# KiCad board PNCATEHO_MK_DOSE_100x100.kicad_pcb
title: PNCATEHO_MK_DOSE; date: 2021-06-23; rev: MK_DOSE; company: Aroum
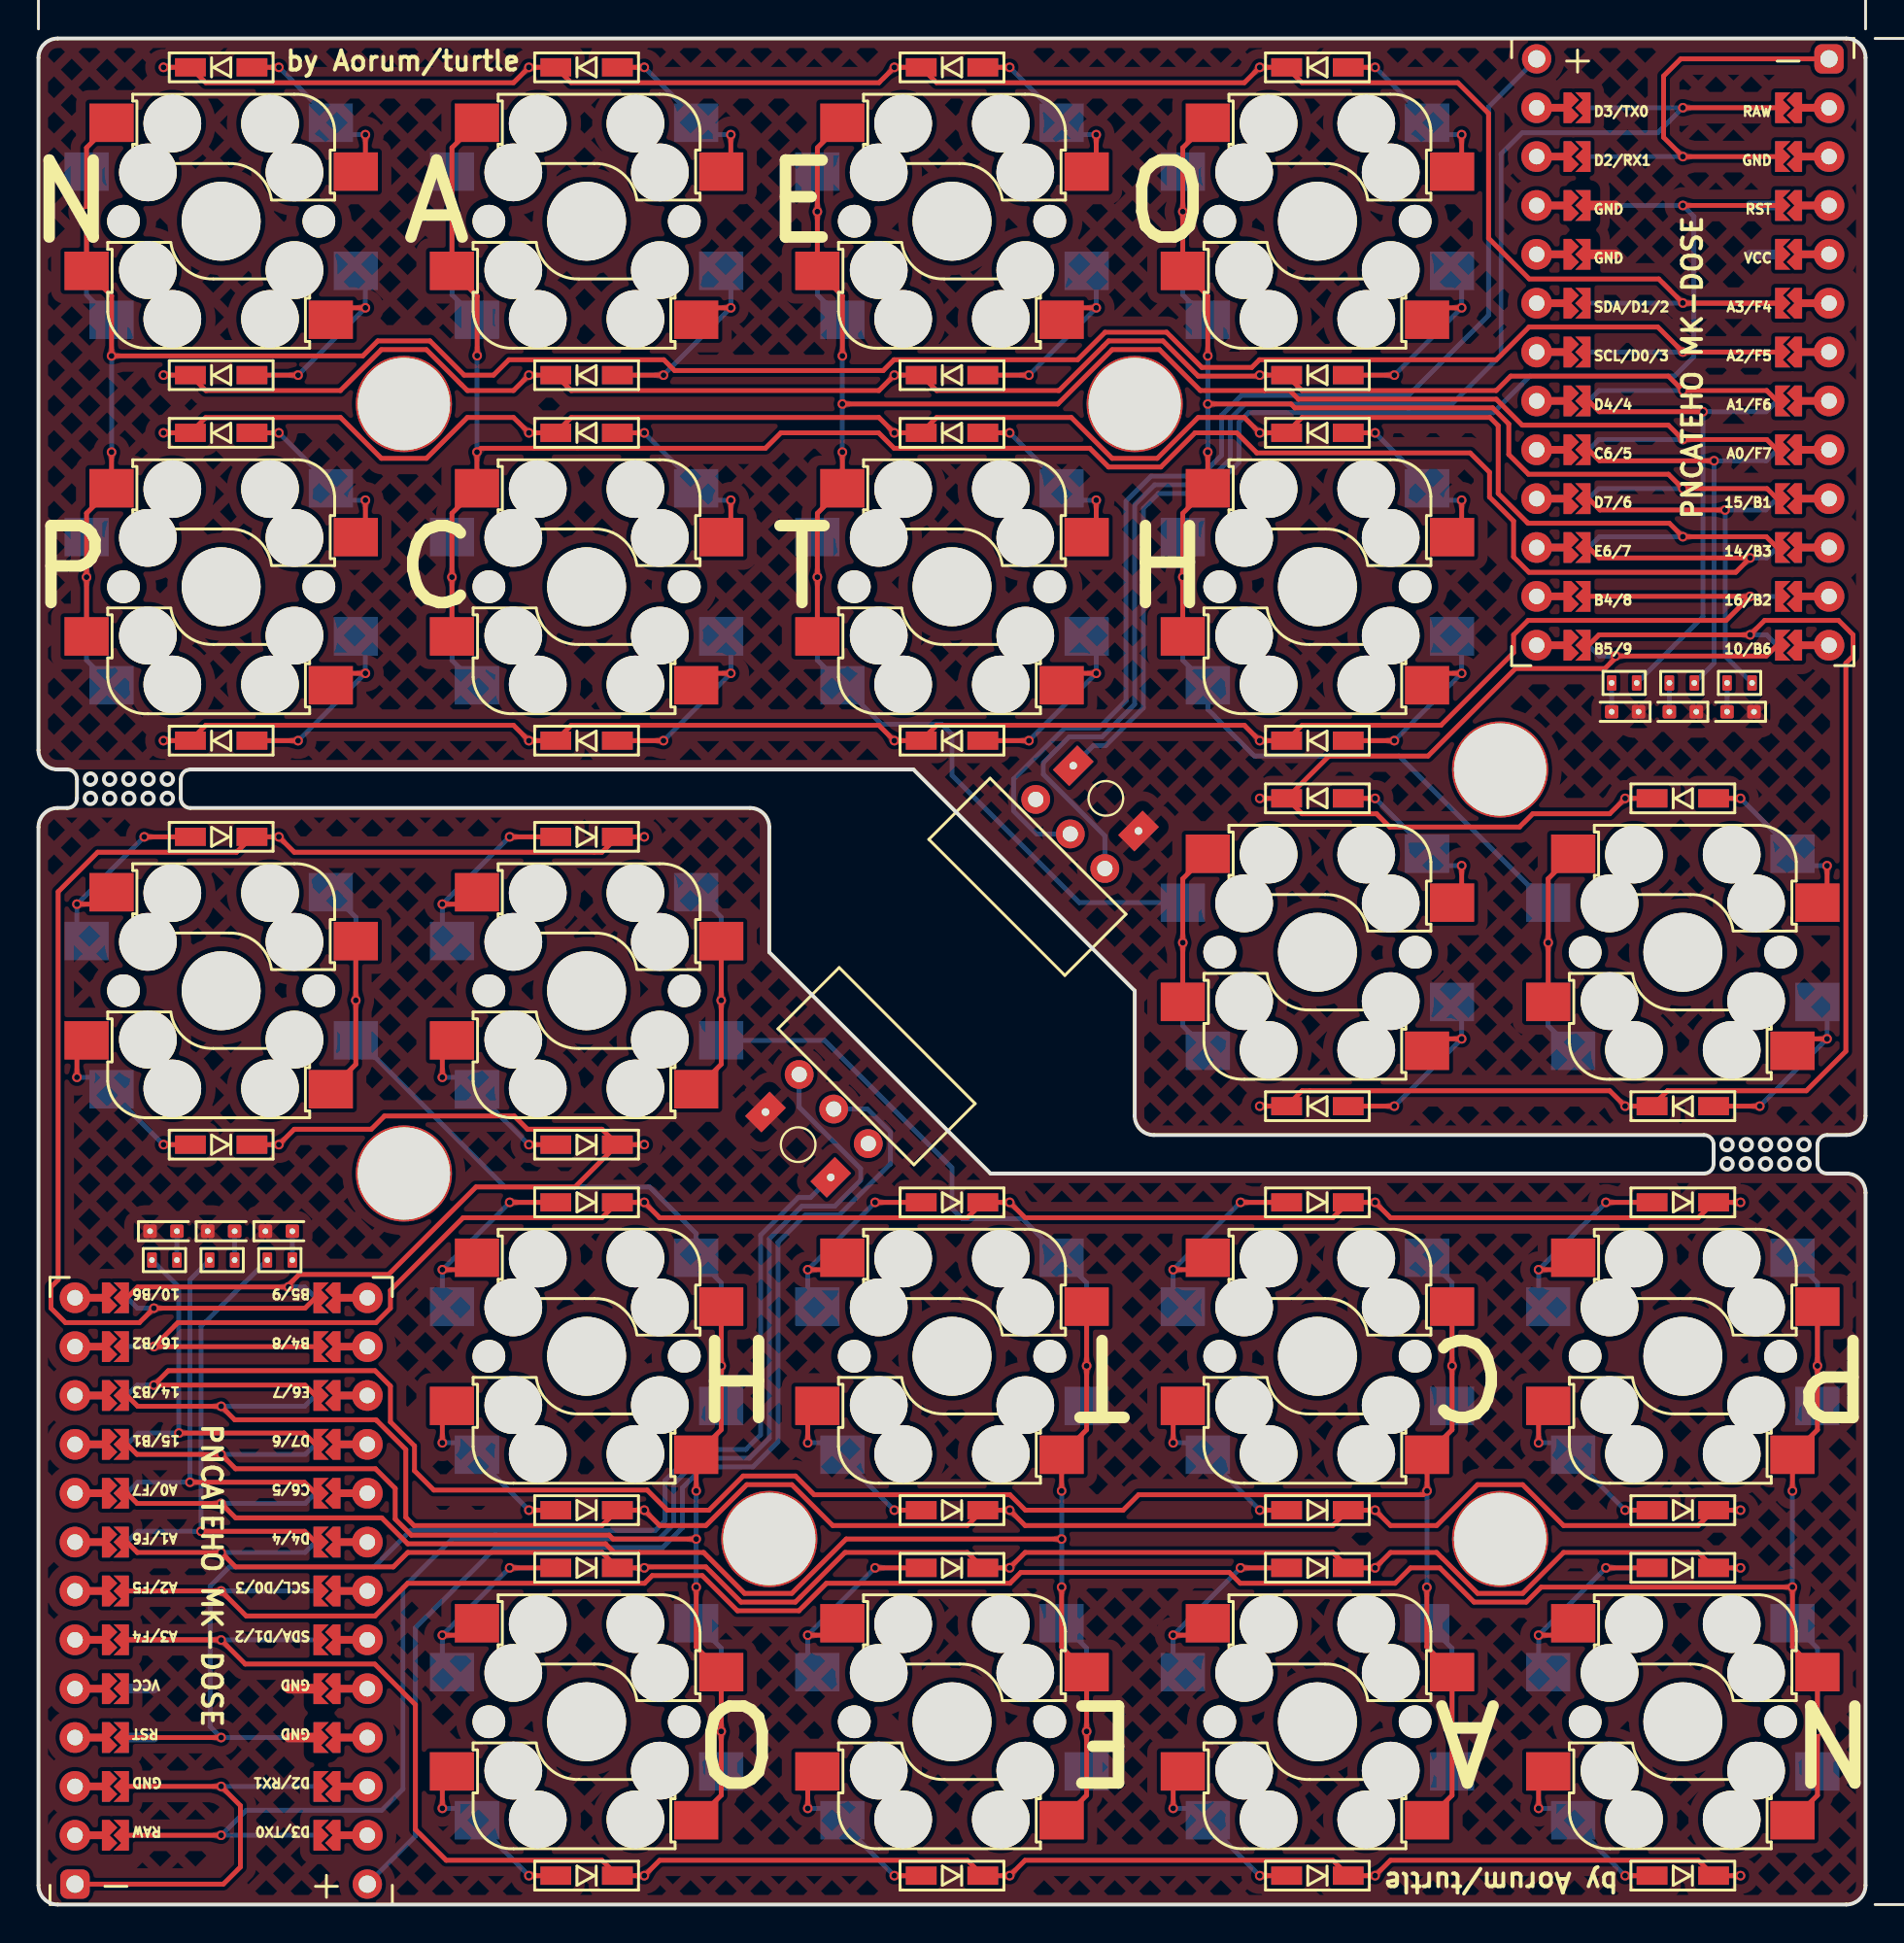
[diagram p0: board, top side]
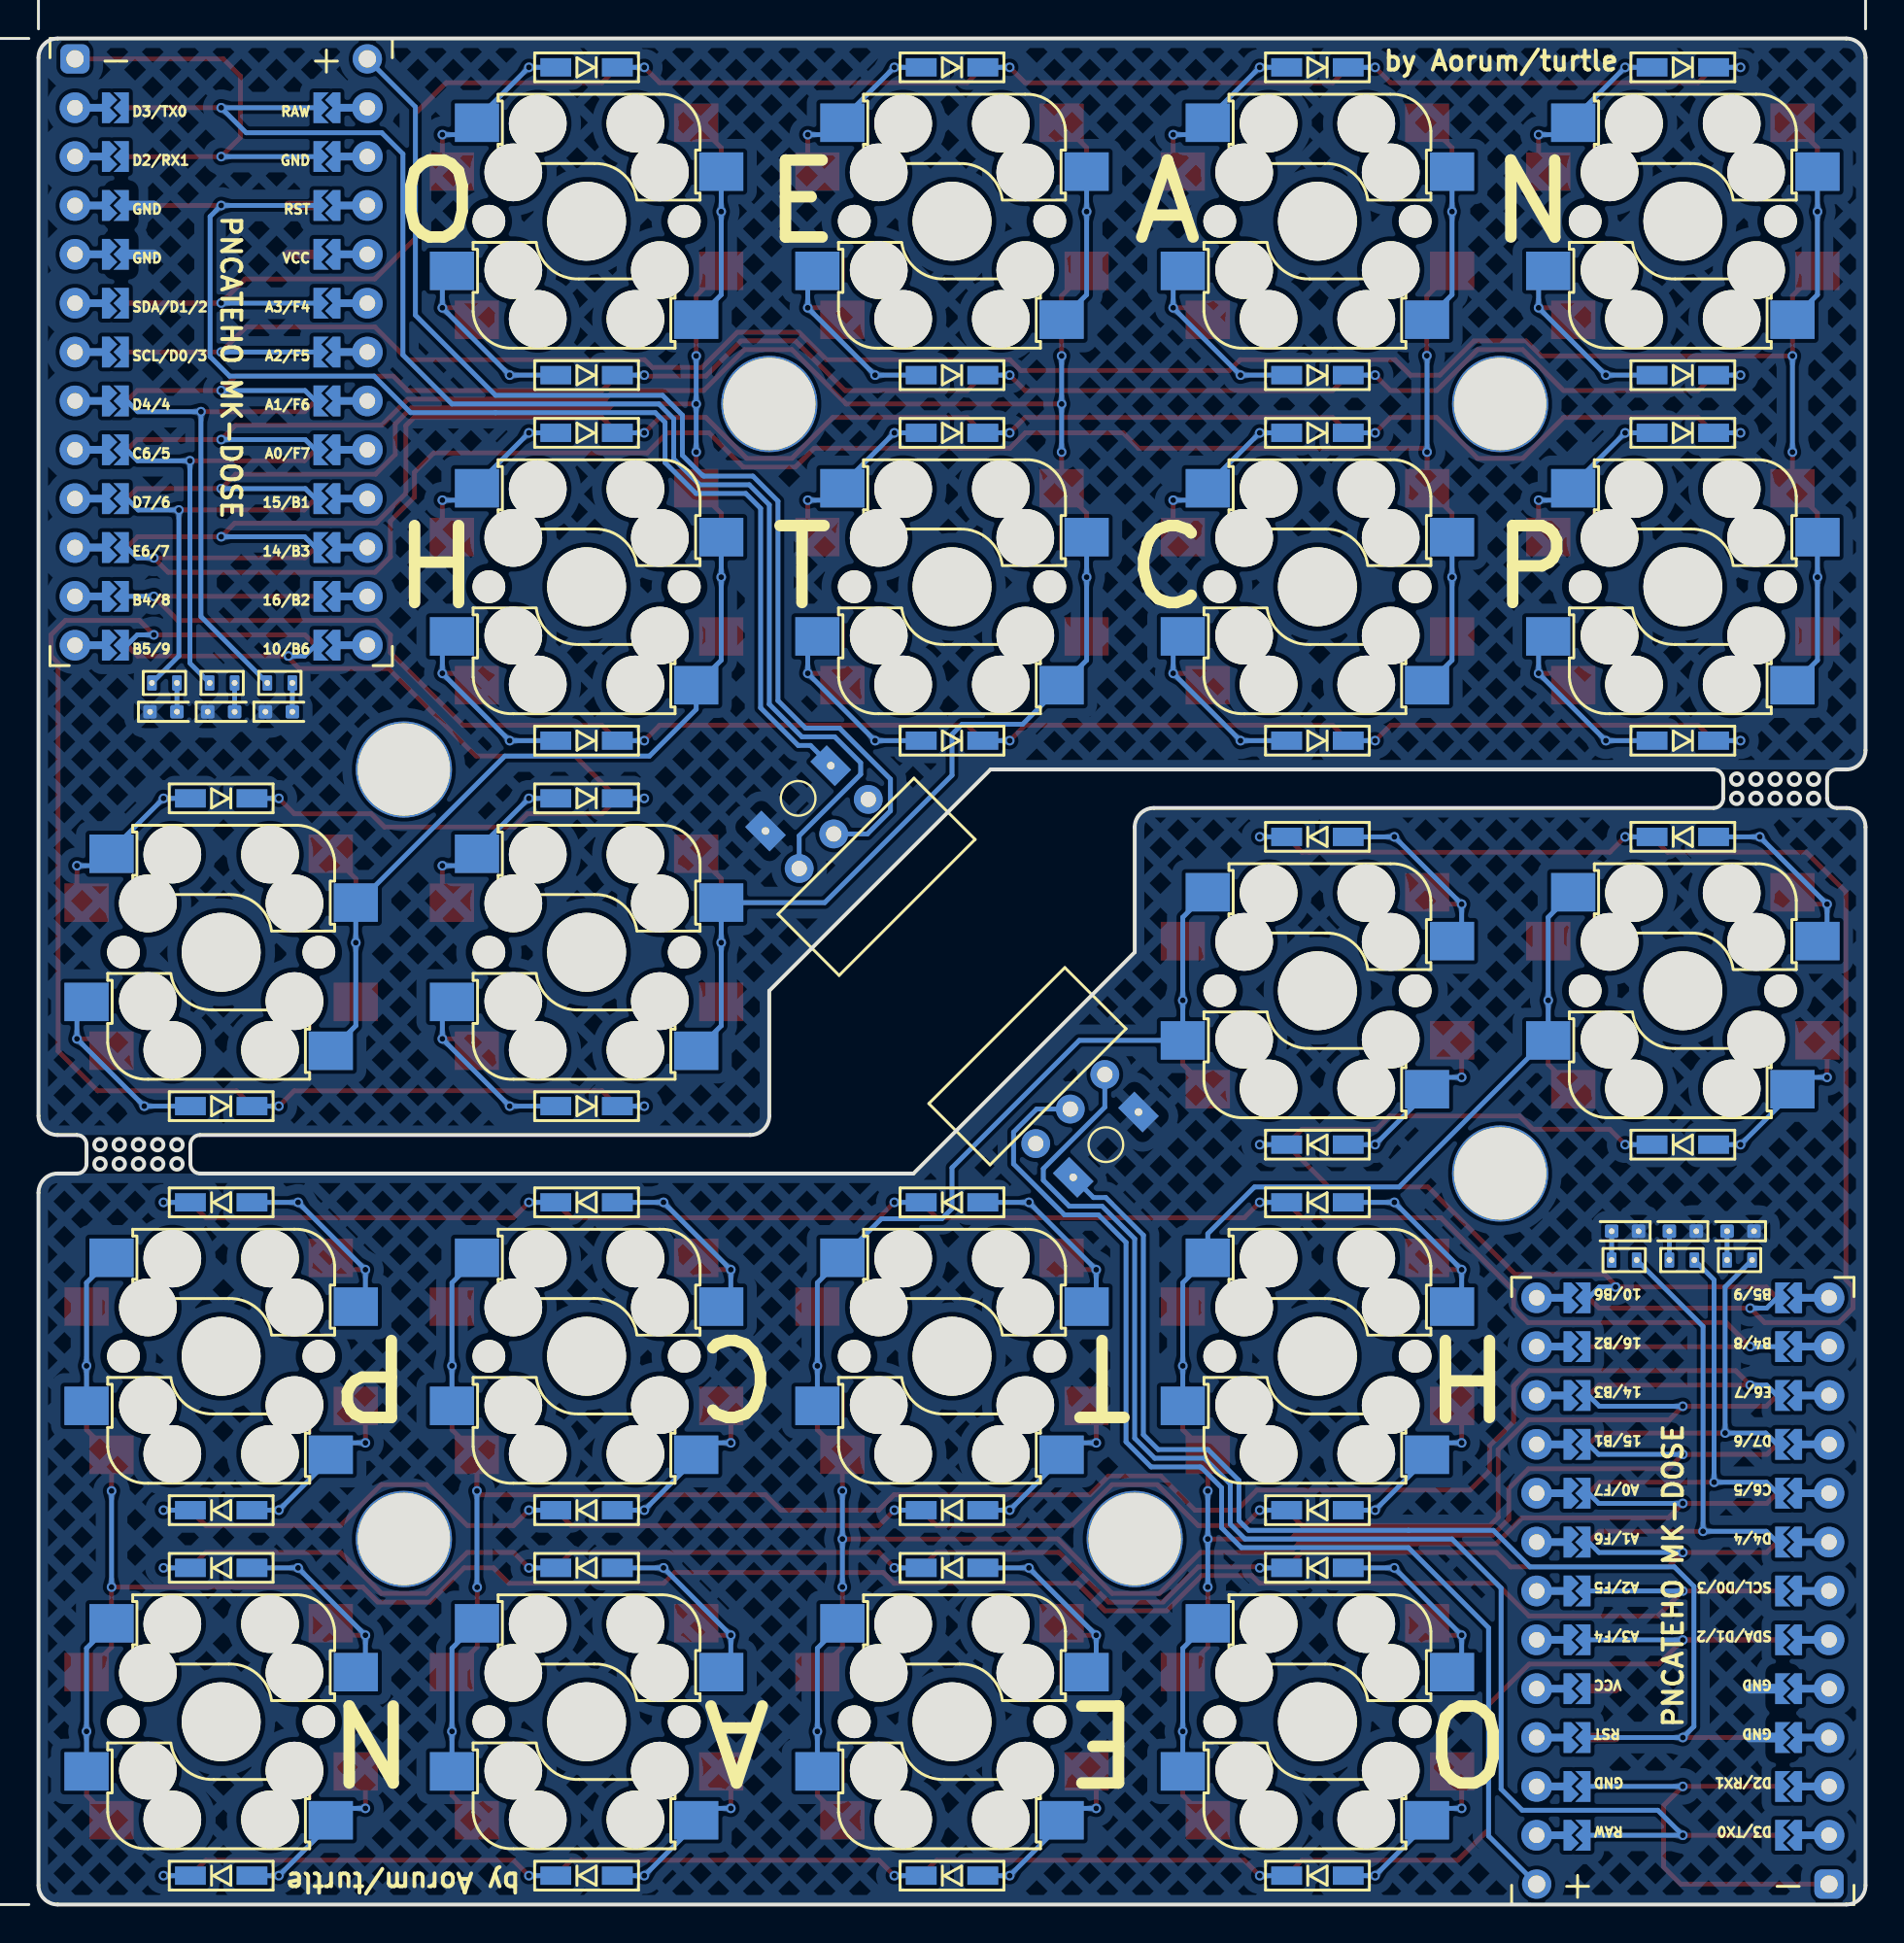
[diagram p1: board, bottom side, seen from below]

Outline 95 x 97 mm; copper layers: Top, Bottom. Coordinates in mm from the lower left corner of the outline.
Outline path: circle c2.7,58.5 r0.3 ; circle c2.7,57.5 r0.3 ; circle c3.7,58.5 r0.3 ; circle c3.7,57.5 r0.3 ; circle c4.7,58.5 r0.3 ; circle c4.7,57.5 r0.3 ; circle c5.7,58.5 r0.3 ; circle c5.7,57.5 r0.3 ; circle c6.7,58.5 r0.3 ; circle c6.7,57.5 r0.3 ; circle c87.8,39.5 r0.3 ; circle c87.8,38.5 r0.3 ; circle c88.8,39.5 r0.3 ; circle c88.8,38.5 r0.3 ; circle c89.8,39.5 r0.3 ; circle c89.8,38.5 r0.3 ; circle c90.8,39.5 r0.3 ; circle c90.8,38.5 r0.3 ; circle c91.8,39.5 r0.3 ; circle c91.8,38.5 r0.3 ; 0,96 0,60 arc(0.29,59.29) 1,59 1.5,59 arc(1.85,58.85) 2,58.5 2,57.5 arc(1.85,57.15) 1.5,57 1,57 arc(0.29,56.71) 0,56 0,1 arc(0.29,0.29) 1,0 94,0 arc(94.71,0.29) 95,1 95,37 arc(94.71,37.71) 94,38 93,38 arc(92.65,38.15) 92.5,38.5 92.5,39.5 arc(92.65,39.85) 93,40 94,40 arc(94.71,40.29) 95,41 95,96 arc(94.71,96.71) 94,97 1,97 arc(0.29,96.71) 0,96 ; 7.4,58.5 arc(7.55,58.85) 7.9,59 45.5,59 57,47.5 57,41 arc(57.29,40.29) 58,40 86.6,40 arc(86.95,39.85) 87.1,39.5 87.1,38.5 arc(86.95,38.15) 86.6,38 49.5,38 38,49.5 38,56 arc(37.71,56.71) 37,57 7.9,57 arc(7.55,57.15) 7.4,57.5 7.4,58.5
Stack: Top 0.035mm / dielectric 1.51mm FR4 er 4.5 / Bottom 0.035mm

## Placement (name value [footprint] x y rotation side)
D1  1N4148W  [D3_SMD]  85.5 1.5 180 top
D1#2  1N4148W  [D3_SMD]  9.5 95.5 0 top
D2  1N4148W  [D3_SMD]  9.5 79.5 0 top
D2#2  1N4148W  [D3_SMD]  85.5 17.5 180 top
D3  1N4148W  [D3_SMD]  66.5 1.5 180 top
D3#2  1N4148W  [D3_SMD]  28.5 95.5 0 top
D4  1N4148W  [D3_SMD]  28.5 79.5 0 top
D4#2  1N4148W  [D3_SMD]  66.5 17.5 180 top
D5  1N4148W  [D3_SMD]  47.5 95.5 0 top
D5#2  1N4148W  [D3_SMD]  47.5 1.5 180 top
D6  1N4148W  [D3_SMD]  47.5 79.5 0 top
D6#2  1N4148W  [D3_SMD]  47.5 17.5 180 top
D7  1N4148W  [D3_SMD]  66.5 95.5 0 top
D7#2  1N4148W  [D3_SMD]  28.5 1.5 180 top
D8  1N4148W  [D3_SMD]  66.5 79.5 0 top
D8#2  1N4148W  [D3_SMD]  28.5 17.5 180 top
D9  1N4148W  [D3_SMD]  85.5 20.5 180 top
D9#2  1N4148W  [D3_SMD]  9.5 76.5 0 top
D10  1N4148W  [D3_SMD]  9.5 60.5 0 top
D10#2  1N4148W  [D3_SMD]  85.5 36.5 180 top
D11  1N4148W  [D3_SMD]  66.5 20.5 180 top
D11#2  1N4148W  [D3_SMD]  28.5 76.5 0 top
D12  1N4148W  [D3_SMD]  66.5 36.5 180 top
D12#2  1N4148W  [D3_SMD]  28.5 60.5 0 top
D13  1N4148W  [D3_SMD]  47.5 20.5 180 top
D13#2  1N4148W  [D3_SMD]  47.5 76.5 0 top
D14  1N4148W  [D3_SMD]  47.5 36.5 180 top
D14#2  1N4148W  [D3_SMD]  47.5 60.5 0 top
D15  1N4148W  [D3_SMD]  66.5 76.5 0 top
D15#2  1N4148W  [D3_SMD]  28.5 20.5 180 top
D16  1N4148W  [D3_SMD]  66.5 60.5 0 top
D16#2  1N4148W  [D3_SMD]  28.5 36.5 180 top
D17  1N4148W  [D3_SMD]  28.5 39.5 180 top
D17#2  1N4148W  [D3_SMD]  66.5 57.5 0 top
D18  1N4148W  [D3_SMD]  28.5 55.5 180 top
D18#2  1N4148W  [D3_SMD]  66.5 41.5 0 top
D19  1N4148W  [D3_SMD]  85.5 57.5 0 top
D19#2  1N4148W  [D3_SMD]  9.5 39.5 180 top
D20  1N4148W  [D3_SMD]  85.5 41.5 0 top
D20#2  1N4148W  [D3_SMD]  9.5 55.5 180 top
D21  LED  [0603-led_dual]  12.5 35 0 top
D21#2  LED  [0603-led_dual]  82.5 62 180 top
D22  LED  [0603-led_dual]  9.5 35 0 top
D22#2  LED  [0603-led_dual]  85.5 62 180 top
D23  LED  [0603-led_dual]  6.5 35 0 top
D23#2  LED  [0603-led_dual]  88.5 62 180 top
H1  -  [Hole]  19 78 0 top
H1#2  -  [Hole]  76 19 180 top
H2  -  [Hole]  38 19 180 top
H2#2  -  [Hole]  57 78 0 top
H3  -  [Hole]  76 59 0 top
H3#2  -  [Hole]  19 38 180 top
J1  TestPoint_2Pole  [battery_conn_duplex]  9.5 16.3 180 top
J1#2  TestPoint_2Pole  [battery_conn_duplex]  85.5 80.7 0 top
PSW1  ~  [bsi10h]  41.35 41.35 135 top
PSW1#2  ~  [bsi10h]  53.65 55.65 315 top
R1  R  [0603-resistor_dual]  12.55 33.5 180 top
R1#2  R  [0603-resistor_dual]  82.45 63.5 0 top
R2  R  [0603-resistor_dual]  85.45 63.5 0 top
R2#2  R  [0603-resistor_dual]  9.55 33.5 180 top
R3  R  [0603-resistor_dual]  6.55 33.5 180 top
R3#2  R  [0603-resistor_dual]  88.45 63.5 0 top
RSW1  SW_PUSH  [SW_3x4x2_2legs_duplex]  55.5 57.5 315 top
RSW1#2  SW_PUSH  [SW_3x4x2_2legs_duplex]  39.5 39.5 135 top
SW1  ~  [MK-DOSE]  85.5 9.5 180 top
SW1#2  ~  [MK-DOSE]  9.5 87.5 0 top
SW2  ~  [MK-DOSE]  28.5 87.5 0 top
SW2#2  ~  [MK-DOSE]  66.5 9.5 180 top
SW3  ~  [MK-DOSE]  47.5 87.5 0 top
SW3#2  ~  [MK-DOSE]  47.5 9.5 180 top
SW4  ~  [MK-DOSE]  28.5 9.5 180 top
SW4#2  ~  [MK-DOSE]  66.5 87.5 0 top
SW5  ~  [MK-DOSE]  85.5 28.5 180 top
SW5#2  ~  [MK-DOSE]  9.5 68.5 0 top
SW6  ~  [MK-DOSE]  66.5 28.5 180 top
SW6#2  ~  [MK-DOSE]  28.5 68.5 0 top
SW7  ~  [MK-DOSE]  47.5 28.5 180 top
SW7#2  ~  [MK-DOSE]  47.5 68.5 0 top
SW8  ~  [MK-DOSE]  28.5 28.5 180 top
SW8#2  ~  [MK-DOSE]  66.5 68.5 0 top
SW9  ~  [MK-DOSE]  66.5 49.5 0 top
SW9#2  ~  [MK-DOSE]  28.5 47.5 180 top
SW10  ~  [MK-DOSE]  85.5 49.5 0 top
SW10#2  ~  [MK-DOSE]  9.5 47.5 180 top
U1  ProMicro_r  [ProMicro_duplex_mirrored]  9.5 16.3 180 top
U1#2  ProMicro_r  [ProMicro_duplex_mirrored]  85.5 80.7 0 top

## Library data of the parts
D1 D2#2 D3 D4#2 D5#2 D6#2 D7#2 D8#2 D9 D10#2 D11-D14 D15#2 D16#2 D17 D18 D19#2 D20#2 = -: Datasheet: https://www.vishay.com/docs/85748/1n4148w.pdf; Description: 75V 0.15A Fast Switching Diode, SOD-123; Sim.Device: D; Sim.Pins: 1=K 2=A
D1#2 D2 D3#2 D4-D8 D9#2 D10 D11#2 D12#2 D13#2 D14#2 D15 D16 D17#2 D18#2 D19 D20 = -: Datasheet: https://www.vishay.com/docs/85748/1n4148w.pdf; Description: 75V 0.15A Fast Switching Diode, SOD-123; Sim.Device: D; Sim.Pins: 1=K 2=A; ki_fp_filters: D*SOD?123*
D21-D23 = -: Description: Light emitting diode; Sim.Pins: 1=K 2=A
D21#2 D22#2 D23#2 = -: Description: Light emitting diode; Sim.Pins: 1=K 2=A; ki_fp_filters: LED* LED_SMD:* LED_THT:*
J1#2 = -: ki_fp_filters: Pin* Test*
R1 R2#2 R3 = -: Description: Resistor
R1#2 R2 R3#2 = -: Description: Resistor; ki_fp_filters: R_*
SW1 SW1#2 SW2 SW2#2 SW3 SW3#2 SW4 SW4#2 SW5 SW5#2 SW6 SW6#2 SW7 SW7#2 SW8 SW8#2 SW9 SW9#2 SW10 SW10#2 = -: Field4: D?; Field5: SW_PUSH

## Footprints (pads in the part's own frame, mm; a bottom-side part is the same pattern mirrored in y, then rotated)
0603-led_dual
  rrect 0.7x0.7 hole 0.3: 1(-0.7,0) 2(0.7,0)
0603-resistor_dual
  rrect 0.5x0.8 hole 0.3: 1(-0.65,0) 2(0.65,0)
battery_conn_duplex
  round 1.524 hole 0.9: 1(-7.6,15.24)
  rrect 1.524x1.524 hole 0.9: 2(7.6,15.24)
bsi10h
  round 1.5 hole 0.8: 1(0,0) 2(2.54,0) 3(-2.54,0)
D3_SMD
  rect 1.6x0.95 smd: 1(-1.6,0) 2(1.6,0)
  rect 1.6x0.95 smd far side: 1(-1.6,0) 2(1.6,0)
Hole
  round 5 hole 4.8 unplated: (0,0)
MK-DOSE
  round 1.7 hole 1.9 unplated: (-5.08,0) (5.08,0)
  round 3 hole 3 unplated: (-3.81,2.54) (-3.81,-2.54) (-2.54,5.08) (-2.54,-5.08) (2.54,5.08) (2.54,-5.08) (3.81,2.54) (3.81,-2.54)
  round 4.1 hole 4.1 unplated: (0,0)
  rect 2.3x2 smd far side: 1(-7,2.58) 2(5.7,5.12) 3(-5.7,-5.12) 4(7,-2.58)
  rect 2.3x2 smd: 1(-5.7,5.12) 2(7,2.58) 3(-7,-2.58) 4(5.7,-5.12)
ProMicro_duplex_mirrored
  custom 3x1.6 hole 0.813: (-7.6,12.7) (-7.6,10.16) (-7.6,7.62) (-7.6,5.08) (-7.6,2.54) (-7.6,0) (-7.6,-2.54) (-7.6,-5.08) (-7.6,-7.62) (-7.6,-10.16) (-7.6,-12.7) (-7.6,-15.24) (7.6,12.7) (7.6,10.16) (7.6,7.62) (7.6,5.08) (7.6,2.54) (7.6,0) (7.6,-2.54) (7.6,-5.08) (7.6,-7.62) (7.6,-10.16) (7.6,-12.7) (7.6,-15.24)
  custom 0.8x1.6 smd: 1(-4.9,12.7) 2(-4.9,10.16) 3(-4.9,7.62) 4(-4.9,5.08) 5(-4.9,2.54) 6(-4.9,0) 7(-4.9,-2.54) 8(-4.9,-5.08) 9(-4.9,-7.62) 10(-4.9,-10.16) 11(-4.9,-12.7) 12(-4.9,-15.24) 13(4.9,-15.24) 14(4.9,-12.7) 15(4.9,-10.16) 16(4.9,-7.62) 17(4.9,-5.08) 18(4.9,-2.54) 19(4.9,0) 20(4.9,2.54) 21(4.9,5.08) 22(4.9,7.62) 23(4.9,10.16) 24(4.9,12.7)
  custom 0.8x1.6 smd far side: 1(4.9,12.7) 2(4.9,10.16) 3(4.9,7.62) 4(4.9,5.08) 5(4.9,2.54) 6(4.9,0) 7(4.9,-2.54) 8(4.9,-5.08) 9(4.9,-7.62) 10(4.9,-10.16) 11(4.9,-12.7) 12(4.9,-15.24) 13(-4.9,-15.24) 14(-4.9,-12.7) 15(-4.9,-10.16) 16(-4.9,-7.62) 17(-4.9,-5.08) 18(-4.9,-2.54) 19(-4.9,0) 20(-4.9,2.54) 21(-4.9,5.08) 22(-4.9,7.62) 23(-4.9,10.16) 24(-4.9,12.7)
SW_3x4x2_2legs_duplex
  rect 1.2x1.8 hole 0.4: 1(-2.4,0) 2(2.4,0)

## Nets
GND: D21.1 D21#2.1 D22.1 D22#2.1 D23.1 D23#2.1 RSW1.2 RSW1#2.2 U1.3 U1.4 U1#2.3 U1#2.4
VBAT: PSW1.2 PSW1#2.2 U1.24 U1#2.24
C0: SW1.1 SW1.3 SW1#2.1 SW1#2.3 SW5.1 SW5.3 SW5#2.1 SW5#2.3 U1.19 U1#2.19
C1: SW2.1 SW2.3 SW2#2.1 SW2#2.3 SW6.1 SW6.3 SW6#2.1 SW6#2.3 U1.10 U1#2.10
C2: SW3.1 SW3.3 SW3#2.1 SW3#2.3 SW7.1 SW7.3 SW7#2.1 SW7#2.3 SW9.1 SW9.3 SW9#2.1 SW9#2.3 U1.17 U1#2.17
C3: SW4.1 SW4.3 SW4#2.1 SW4#2.3 SW8.1 SW8.3 SW8#2.1 SW8#2.3 SW10.1 SW10.3 SW10#2.1 SW10#2.3 U1.16 U1#2.16
LED0: R1.2 R1#2.2 U1.7 U1#2.7
LED1: R2.2 R2#2.2 U1.8 U1#2.8
LED2: R3.2 R3#2.2 U1.9 U1#2.9
R0: D1.1 D1#2.1 D3.1 D3#2.1 D5.1 D5#2.1 D7.1 D7#2.1 U1.20 U1#2.20
R1: D2.1 D2#2.1 D4.1 D4#2.1 D6.1 D6#2.1 D8.1 D8#2.1 U1.18 U1#2.18
R2: D9.1 D9#2.1 D11.1 D11#2.1 D13.1 D13#2.1 D15.1 D15#2.1 U1.15 U1#2.15
R3: D10.1 D10#2.1 D12.1 D12#2.1 D14.1 D14#2.1 D16.1 D16#2.1 U1.11 U1#2.11
R4: D17.1 D17#2.1 D19.1 D19#2.1 U1.13 U1#2.13
R5: D18.1 D18#2.1 D20.1 D20#2.1 U1.12 U1#2.12
reset: RSW1.1 RSW1#2.1 U1.22 U1#2.22
Net-(D1-A): D1.2 D1#2.2 SW1.2 SW1#2.2
Net-(D2-A): D2.2 D2#2.2 SW1.4 SW1#2.4
Net-(D3-A): D3.2 D3#2.2 SW2.2 SW2#2.2
Net-(D4-A): D4.2 D4#2.2 SW2.4 SW2#2.4
Net-(D5-A): D5.2 D5#2.2 SW3.2 SW3#2.2
Net-(D6-A): D6.2 D6#2.2 SW3.4 SW3#2.4
Net-(D7-A): D7.2 D7#2.2 SW4.2 SW4#2.2
Net-(D8-A): D8.2 D8#2.2 SW4.4 SW4#2.4
Net-(D9-A): D9.2 D9#2.2 SW5.2 SW5#2.2
Net-(D10-A): D10.2 D10#2.2 SW5.4 SW5#2.4
Net-(D11-A): D11.2 D11#2.2 SW6.2 SW6#2.2
Net-(D12-A): D12.2 D12#2.2 SW6.4 SW6#2.4
Net-(D13-A): D13.2 D13#2.2 SW7.2 SW7#2.2
Net-(D14-A): D14.2 D14#2.2 SW7.4 SW7#2.4
Net-(D15-A): D15.2 D15#2.2 SW8.2 SW8#2.2
Net-(D16-A): D16.2 D16#2.2 SW8.4 SW8#2.4
Net-(D17-A): D17.2 D17#2.2 SW9.2 SW9#2.2
Net-(D18-A): D18.2 D18#2.2 SW9.4 SW9#2.4
Net-(D19-A): D19.2 D19#2.2 SW10.2 SW10#2.2
Net-(D20-A): D20.2 D20#2.2 SW10.4 SW10#2.4
Net-(D21-A): D21.2 D21#2.2 R1.1 R1#2.1
Net-(D22-A): D22.2 D22#2.2 R2.1 R2#2.1
Net-(D23-A): D23.2 D23#2.2 R3.1 R3#2.1
Net-(J1-Pad1): J1.1 J1#2.1 PSW1.1 PSW1#2.1
Net-(J1-Pad2): J1.2 J1#2.2 U1.23 U1#2.23

Pads without a net: PSW1 3; PSW1#2 3; U1 1 2 5 6 14 21; U1#2 1 2 5 6 14 21

## Via types
v1: diameter 0.5, hole 0.3, Top to Bottom, 192 vias

## Routing (per net, layer and track width the routed paths; a pad name or vN(x,y) marks a point on that pad's centre or on a via; arc(x,y) is an arc through that point)
GND: length 11.1
  Top w0.5: U1.4 13.02,11.22 ; U1.3 13.02,8.68 ; U1#2.4 81.98,85.78 ; U1#2.3 81.98,88.32
  Bottom w0.5: U1.3 6,8.68 ; U1.4 6,11.22 ; U1#2.3 89,88.32 ; U1#2.4 89,85.78
VBAT: length 154.8
  Top w0.25: U1.24 v1(9.5,3.6) ; U1#2.24 v1(85.5,93.4)
  Bottom w0.25: PSW1#2.2 55.45,55.55 52.25,58.75 52.25,59.35 53.6,60.7 55.31,60.7 57,62.39 57,72.76 58.04,73.8 60.62,73.8 61.97,75.15 61.97,77.23 62.74,78 73.5,78 76.05,80.55 76.05,91 77.15,92.1 84.2,92.1 v1(85.5,93.4) U1#2.24 ; PSW1.2 39.55,41.45 42.75,38.25 42.75,37.65 41.4,36.3 39.69,36.3 38,34.61 38,24.24 36.96,23.2 34.38,23.2 33.03,21.85 33.03,19.77 32.26,19 21.5,19 18.95,16.45 18.95,6 17.85,4.9 10.8,4.9 v1(9.5,3.6) U1.24
C0: length 281.8
  Top w0.25: U1#2.19 v1(85.5,80.7) 84.2,82 77.5,82 75.8,80.3 63.49,80.3 63.09,79.9 60.49,79.9 58.66,81.73 55.46,81.73 54.03,80.3 44.49,80.3 43.92,79.74 33.08,79.74 32.51,80.3 24.46,80.3 23.66,79.5 22.13,79.5 20.36,81.28 17.64,81.28 16.87,80.5 v1(3.8,80.5) 3.8,83.62 SW1#2.3 v1(2.5,88) 2.5,91.32 SW1#2.1 ; SW5.3 v1(92.5,28) 92.5,24.68 SW5.1 v1(91.2,21.5) ; SW5#2.3 v1(2.5,69) 2.5,72.32 SW5#2.1 v1(3.8,75.5) ; U1.19 v1(9.5,16.3) 10.8,15 17.5,15 19.2,16.7 31.51,16.7 31.91,17.1 34.51,17.1 36.34,15.27 39.54,15.27 40.97,16.7 50.51,16.7 51.08,17.26 61.92,17.26 62.49,16.7 70.54,16.7 71.34,17.5 72.87,17.5 74.64,15.72 77.36,15.72 78.13,16.5 v1(91.2,16.5) 91.2,13.38 SW1.3 v1(92.5,9) 92.5,5.68 SW1.1
  Bottom w0.25: v1(91.2,16.5) v1(91.2,21.5) ; SW5#2.3 2.5,64.68 v1(2.5,69) SW5#2.1 ; v1(3.8,80.5) v1(3.8,75.5) ; SW1.1 v1(92.5,9) 92.5,13.32 SW1.3 ; SW5.1 v1(92.5,28) 92.5,32.32 SW5.3 ; v1(9.5,16.3) U1.19 ; SW1#2.1 v1(2.5,88) 2.5,83.68 SW1#2.3 ; v1(85.5,80.7) U1#2.19
C1: length 256.6
  Top w0.25: U1.10 13.86,27 v1(6,27) 6.75,27.75 17.5,27.75 18.3,26.95 18.3,25.09 19.55,23.84 19.55,22.55 20.56,21.54 31.65,21.54 32.69,20.5 34.87,20.5 36.64,22.28 39.36,22.28 40.33,21.3 47.97,21.3 50.51,21.3 51.31,20.5 56.4,20.5 57.2,21.3 66.97,21.3 72,21.3 v1(72.2,21.5) SW6.1 73.5,24.68 v1(73.5,28) SW6.3 ; SW6#2.3 v1(21.5,69) 21.5,72.32 SW6#2.1 v1(22.8,75.5) 23,75.7 25.77,75.7 37.8,75.7 38.6,76.5 43.69,76.5 44.49,75.7 44.77,75.7 54.67,75.7 55.64,74.72 58.36,74.72 60.13,76.5 62.31,76.5 63.35,75.46 74.44,75.46 75.45,74.45 75.45,73.16 76.7,71.91 76.7,70.05 77.5,69.25 88.25,69.25 v1(89,70) 81.14,70 U1#2.10 ; v1(22.81,80.51) 22.81,83.61 SW2.3 v1(21.5,88) 21.5,91.32 SW2.1 ; SW2#2.1 73.5,5.68 v1(73.5,9) SW2#2.3 72.19,13.39 v1(72.19,16.49)
  Bottom w0.25: U1.10 5.14,27 v1(6,27) ; SW2#2.1 v1(73.5,9) 73.5,13.32 SW2#2.3 ; v1(72.2,21.5) 72.2,16.5 v1(72.19,16.49) ; SW2.3 21.5,83.68 v1(21.5,88) SW2.1 ; SW6#2.3 21.5,64.68 v1(21.5,69) SW6#2.1 ; v1(22.81,80.51) 22.8,80.5 v1(22.8,75.5) ; SW6.3 73.5,32.32 v1(73.5,28) SW6.1 ; U1#2.10 89.86,70 v1(89,70)
C2: length 284.3
  Top w0.25: v1(41.8,80.5) 41.8,83.62 SW3.3 v1(40.5,88) 40.5,91.32 SW3.1 ; U1.17 5.13,20.85 v1(9.5,20.85) 10.25,20.1 17.85,20.1 19.2,18.75 29.49,18.75 29.94,18.3 31.25,18.3 34.59,18.3 36.71,16.17 39.17,16.17 42,19 v1(53.2,19) ; 4.62,21.42 4.6,21.42 ; v1(41.8,78) 53,78 55.83,80.83 58.29,80.83 60.41,78.7 63.75,78.7 65.06,78.7 65.51,78.25 75.8,78.25 77.15,76.9 84.75,76.9 v1(85.5,76.15) 89.87,76.15 U1#2.17 ; SW9.1 59.5,53.32 v1(59.5,50) SW9.3 ; v1(53.2,21.5) SW7.1 54.5,24.68 v1(54.5,28) SW7.3 ; SW3#2.1 54.5,5.68 v1(54.5,9) SW3#2.3 53.2,13.38 v1(53.2,16.5) ; SW7#2.3 v1(40.5,69) 40.5,72.32 SW7#2.1 v1(41.8,75.5) ; SW9#2.1 35.5,43.68 v1(35.5,47) SW9#2.3 ; 90.38,75.58 90.4,75.58
  Bottom w0.25: v1(53.2,19) v1(53.2,16.5) ; v1(53.2,19) v1(53.2,21.5) ; v1(53.2,19) 53.2,19.2 ; v1(41.8,78) v1(41.8,80.5) ; v1(41.8,78) v1(41.8,75.5) ; v1(41.8,78) 41.8,77.8 ; SW7#2.1 v1(40.5,69) 40.5,64.68 SW7#2.3 43.83,61.35 46.98,61.35 47.5,60.83 47.5,58.7 54.12,52.08 SW9.1 v1(59.5,50) 59.5,45.68 SW9.3 ; SW9#2.3 35.5,51.32 v1(35.5,47) SW9#2.1 40.88,44.92 47.5,38.3 47.5,36.17 48.02,35.65 51.17,35.65 SW7.3 54.5,32.32 v1(54.5,28) SW7.1 ; v1(9.5,20.85) 13.87,20.85 U1.17 ; U1#2.17 81.13,76.15 v1(85.5,76.15) ; SW3.3 40.5,83.68 v1(40.5,88) SW3.1 ; SW3#2.1 v1(54.5,9) 54.5,13.32 SW3#2.3
C3: length 244.8
  Top w0.25: v1(34.2,16.5) 34.2,13.38 SW4.3 v1(35.5,9) 35.5,5.68 SW4.1 ; v1(34.2,19) 29.88,19 29.67,19.2 19.39,19.2 18.55,20.04 18.55,21.62 17.52,22.65 10.25,22.65 v1(9.5,23.4) 5.12,23.4 U1.16 ; SW8.3 v1(35.5,28) 35.5,24.68 SW8.1 v1(34.2,21.5) ; U1#2.16 89.88,73.6 v1(85.5,73.6) 84.75,74.35 77.47,74.35 76.45,75.38 76.45,76.96 75.61,77.8 65.33,77.8 65.12,78 v1(60.8,78) ; v1(60.8,75.5) SW8#2.1 59.5,72.32 v1(59.5,69) SW8#2.3 ; SW10#2.3 v1(16.5,47) 16.5,43.68 SW10#2.1 ; SW10.3 v1(78.5,50) 78.5,53.32 SW10.1 ; SW4#2.1 59.5,91.32 v1(59.5,88) SW4#2.3 60.8,83.62 v1(60.8,80.5)
  Bottom w0.25: v1(60.8,78) 60.8,77.78 ; v1(60.8,78) v1(60.8,75.5) ; v1(60.8,78) v1(60.8,80.5) 60.8,80.4 ; SW10#2.3 16.5,51.32 v1(16.5,47) SW10#2.1 16.63,44.92 24.25,37.3 31.77,37.3 34.2,34.87 SW8.3 35.5,32.32 v1(35.5,28) SW8.1 ; SW8#2.1 v1(59.5,69) 59.5,64.68 SW8#2.3 60.8,62.13 63.23,59.7 70.75,59.7 78.37,52.08 SW10.1 v1(78.5,50) 78.5,45.68 SW10.3 ; SW4.1 v1(35.5,9) 35.5,13.32 SW4.3 ; SW4#2.1 v1(59.5,88) 59.5,83.68 SW4#2.3 ; v1(34.2,19) v1(34.2,16.5) 34.2,16.6 ; v1(34.2,19) v1(34.2,21.5) ; v1(34.2,19) 34.2,19.22 ; v1(9.5,23.4) 13.88,23.4 U1.16 ; v1(85.5,73.6) 81.12,73.6 U1#2.16
LED0: length 51.6
  Top w0.25: U1#2.7 81.16,77.6 v1(86.55,77.6) ; v1(8.45,19.4) 13.84,19.4 U1.7
  Bottom w0.25: R1.2 8.45,30.05 v1(8.45,19.4) 5.16,19.4 U1.7 ; U1#2.7 89.84,77.6 v1(86.55,77.6) 86.55,66.95 R1#2.2
LED1: length 44.4
  Top w0.25: v1(7.88,21.95) 13.83,21.95 U1.8 ; v1(87.12,75.05) 81.17,75.05 U1#2.8
  Bottom w0.25: R2.2 87.12,64.53 ; R2#2.2 7.88,32.47 ; 90.38,75.58 89.84,75.05 v1(87.12,75.05) 87.12,64.55 ; 7.88,32.45 v1(7.88,21.95) 5.16,21.95 4.62,21.42
LED2: length 39.7
  Top w0.25: U1.9 13.81,24.51 v1(7.3,24.51) ; v1(87.7,72.49) 81.19,72.49 U1#2.9
  Bottom w0.25: R3.2 7.3,32.1 v1(7.3,24.51) 5.19,24.51 U1.9 ; U1#2.9 89.81,72.49 v1(87.7,72.49) 87.7,64.9 R3#2.2
R0: length 218.9
  Top w0.25: 9.49,13.76 U1.20 9.49,13.76 ; 9.49,13.76 v1(9.5,13.75) 10.75,12.5 17.48,12.5 19.6,10.38 19.6,3.9 21.2,2.3 29.3,2.3 D7#2.1 v1(31.5,1.5) 32.3,2.3 48.3,2.3 D5#2.1 v1(50.5,1.5) 51.3,2.3 67.3,2.3 D3.1 v1(69.5,1.5) 70.3,2.3 86.3,2.3 D1.1 v1(88.5,1.5) ; v1(6.5,95.5) D1#2.1 8.7,94.7 24.7,94.7 v1(25.5,95.5) D3#2.1 27.7,94.7 43.7,94.7 v1(44.5,95.5) D5.1 46.7,94.7 62.7,94.7 v1(63.5,95.5) D7.1 65.7,94.7 73.8,94.7 75.4,93.1 75.4,86.62 77.52,84.5 84.25,84.5 v1(85.5,83.25) 85.51,83.24 ; 85.51,83.24 U1#2.20 85.51,83.24
  Bottom w0.25: 85.51,83.24 v1(85.5,83.25) 85.49,83.24 U1#2.20 ; 9.49,13.76 v1(9.5,13.75) 9.51,13.76 U1.20 ; v1(88.5,1.5) 87.28,1.5 ; v1(44.5,95.5) 45.72,95.5 ; v1(31.5,1.5) 30.27,1.5 ; v1(6.5,95.5) 7.73,95.5 ; v1(50.5,1.5) 49.28,1.5 ; v1(63.5,95.5) 64.72,95.5 ; v1(69.5,1.5) 68.28,1.5 ; v1(25.5,95.5) 26.73,95.5
R1: length 200.7
  Top w0.25: 73,18 74.83,16.17 77.17,16.17 79.3,18.3 86.3,18.3 D2#2.1 v1(88.5,17.5) ; v1(6.5,79.5) D2.1 8.7,78.7 15.7,78.7 17.83,80.83 20.17,80.83 22,79 ; 22,79 22.3,78.7 24.7,78.7 v1(25.5,79.5) D4.1 27.7,78.7 43.7,78.7 v1(44.5,79.5) D6.1 46.7,78.7 53.06,78.7 55.64,81.28 58.47,81.28 60.3,79.45 63.45,79.45 v1(63.5,79.5) D8.1 65.7,78.7 75.8,78.7 76.55,79.45 84.75,79.45 v1(85.5,78.7) 89.86,78.7 U1#2.18 ; U1.18 5.14,18.3 v1(9.5,18.3) 10.25,17.55 18.45,17.55 19.2,18.3 29.3,18.3 D8#2.1 v1(31.5,17.5) 31.55,17.55 34.7,17.55 36.53,15.72 39.36,15.72 41.94,18.3 48.3,18.3 D6#2.1 v1(50.5,17.5) 51.3,18.3 67.3,18.3 D4#2.1 v1(69.5,17.5) 70.3,18.3 72.7,18.3 73,18
  Bottom w0.25: U1#2.18 81.14,78.7 v1(85.5,78.7) ; U1.18 13.86,18.3 v1(9.5,18.3) ; 26.73,79.5 v1(25.5,79.5) ; 64.72,79.5 v1(63.5,79.5) ; 68.28,17.5 v1(69.5,17.5) ; 30.27,17.5 v1(31.5,17.5) ; v1(50.5,17.5) 49.28,17.5 ; v1(6.5,79.5) 7.73,79.5 ; v1(44.5,79.5) 45.72,79.5 ; v1(88.5,17.5) 87.28,17.5
R2: length 209.3
  Top w0.25: v1(6.5,76.5) D9#2.1 8.7,77.3 15.7,77.3 17.83,75.17 20.17,75.17 22.3,77.3 24.7,77.3 v1(25.5,76.5) D11#2.1 27.7,77.3 43.7,77.3 v1(44.5,76.5) D13#2.1 46.7,77.3 53.7,77.3 55.83,75.17 58.17,75.17 60.3,77.3 62.7,77.3 v1(63.5,76.5) D15.1 65.7,77.3 75.47,77.3 75.9,76.87 75.9,73.35 77.4,71.85 77.45,71.8 84.8,71.8 v1(85.5,71.1) 89.84,71.1 U1#2.15 ; U1.15 5.16,25.9 v1(9.5,25.9) 10.2,25.2 17.55,25.2 17.6,25.15 19.1,23.65 19.1,20.13 19.53,19.7 29.3,19.7 D15#2.1 v1(31.5,20.5) 32.3,19.7 34.7,19.7 36.83,21.83 39.17,21.83 41.3,19.7 48.3,19.7 D13.1 v1(50.5,20.5) 51.3,19.7 67.3,19.7 D11.1 v1(69.5,20.5) 70.3,19.7 72.7,19.7 74.83,21.83 77.17,21.83 79.3,19.7 86.3,19.7 D9.1 v1(88.5,20.5)
  Bottom w0.25: v1(6.5,76.5) 7.73,76.5 ; v1(9.5,25.9) 13.84,25.9 U1.15 14.39,26.46 ; 26.73,76.5 v1(25.5,76.5) ; 64.72,76.5 v1(63.5,76.5) ; 30.27,20.5 v1(31.5,20.5) ; v1(85.5,71.1) 81.16,71.1 U1#2.15 80.61,70.54 ; v1(44.5,76.5) 45.72,76.5 ; 68.28,20.5 v1(69.5,20.5) ; v1(50.5,20.5) 49.28,20.5 ; v1(88.5,20.5) 87.28,20.5
R3: length 205.9
  Top w0.25: U1.11 6.05,29 6,28.95 v1(6,29) 7.25,30.25 17.55,30.25 18.3,31 18.3,31.92 22.08,35.7 29.3,35.7 D16#2.1 v1(31.5,36.5) 32.3,35.7 48.3,35.7 D14.1 v1(50.5,36.5) 51.3,35.7 67.3,35.7 D12.1 v1(69.5,36.5) 70.3,35.7 86.3,35.7 D10#2.1 v1(88.5,36.5) ; v1(6.5,60.5) D10.1 8.7,61.3 24.7,61.3 v1(25.5,60.5) D12#2.1 27.7,61.3 43.7,61.3 v1(44.5,60.5) D14#2.1 46.7,61.3 62.7,61.3 v1(63.5,60.5) D16.1 65.7,61.3 72.92,61.3 76.7,65.08 76.7,66 77.45,66.75 87.75,66.75 v1(89,68) 89,68.05 88.95,68 U1#2.11
  Bottom w0.25: v1(31.5,36.5) 30.27,36.5 ; v1(6.5,60.5) 7.73,60.5 ; v1(69.5,36.5) 68.28,36.5 ; v1(25.5,60.5) 26.73,60.5 ; 6,28.95 v1(6,29) U1.11 ; 89,68.05 v1(89,68) U1#2.11 ; v1(44.5,60.5) 45.72,60.5 ; v1(50.5,36.5) 49.28,36.5 ; v1(63.5,60.5) 64.72,60.5 ; v1(88.5,36.5) 87.28,36.5
R4: length 109.1
  Top w0.25: D17.1 29.3,40.3 25.43,40.3 24.74,40.99 17.99,40.99 17.3,40.3 13.3,40.3 v1(12.5,39.5) 11.27,39.5 ; D17.1 v1(31.5,39.5) ; D17.1 27.9,37.3 22.75,37.3 18.2,32.75 13.55,32.75 13,32.2 v1(13,32.1) 5.16,32.1 U1.13 ; U1#2.13 89.84,64.9 v1(82,64.9) 82,64.8 81.45,64.25 76.8,64.25 72.25,59.7 67.1,59.7 D17#2.1 ; D17#2.1 65.7,56.7 69.57,56.7 70.26,56.01 77.01,56.01 77.7,56.7 81.7,56.7 v1(82.5,57.5) 83.72,57.5 ; D17#2.1 v1(63.5,57.5)
  Bottom w0.25: U1#2.13 81.16,64.9 v1(82,64.9) 82.1,64.8 ; 12.9,32.2 v1(13,32.1) 13.84,32.1 U1.13 ; v1(82.5,57.5) 83.72,57.5 ; v1(63.5,57.5) 64.72,57.5 ; v1(12.5,39.5) 11.27,39.5 ; v1(31.5,39.5) 30.27,39.5
R5: length 145.6
  Top w0.25: v1(63.5,41.5) D18#2.1 65.7,42.3 66.1,42.3 81.7,42.3 v1(82.5,41.5) D20.1 84.7,42.3 91.92,42.3 93.98,44.35 93.98,64.53 94.35,64.9 94.35,66 93.6,66.75 89.75,66.75 v1(89,66) 81.14,66 U1#2.12 ; U1.12 13.86,31 v1(6,31) 5.25,30.25 1.4,30.25 0.65,31 0.65,32.1 1.02,32.47 1.02,52.65 3.08,54.7 10.3,54.7 D20#2.1 v1(12.5,55.5) 13.3,54.7 28.9,54.7 29.3,54.7 D18.1 v1(31.5,55.5)
  Bottom w0.25: v1(82.5,41.5) 83.72,41.5 ; v1(31.5,55.5) 30.27,55.5 ; v1(63.5,41.5) 64.72,41.5 ; U1.12 5.14,31 v1(6,31) ; U1#2.12 89.86,66 v1(89,66) ; v1(12.5,55.5) 11.27,55.5
reset: length 132.6
  Top w0.25: v1(9.5,8.68) U1.22 ; v1(85.5,88.32) U1#2.22
  Bottom w0.25: 14.38,8.7 U1.22 v1(9.5,8.68) 8.92,9.26 8.92,16.54 9.94,17.55 17.45,17.55 19.35,19.45 23.77,19.45 23.77,19.45 32.08,19.45 32.58,19.96 32.58,22.04 34.19,23.65 36.78,23.65 37.55,24.42 37.55,34.79 39.51,36.75 40.15,36.75 RSW1#2.1 ; RSW1.1 54.85,60.25 55.49,60.25 57.45,62.21 57.45,72.58 58.22,73.35 60.81,73.35 62.42,74.96 62.42,77.04 62.92,77.55 71.23,77.55 71.23,77.55 75.65,77.55 77.55,79.45 85.06,79.45 86.08,80.46 86.08,87.74 v1(85.5,88.32) U1#2.22 80.62,88.3
Net-(D1-A): length 21.3
  Top w0.25: 83.72,1.5 v1(82.5,1.5) ; v1(78,5) 78,6.42 SW1.2 ; v1(17,92) 17,90.58 SW1#2.2 ; 11.27,95.5 v1(12.5,95.5)
  Bottom w0.25: 11.27,95.5 v1(12.5,95.5) 15.2,92.8 SW1#2.2 15.82,92 v1(17,92) ; v1(78,5) 79.18,5 SW1.2 79.8,4.2 v1(82.5,1.5) 83.72,1.5
Net-(D2-A): length 27.2
  Top w0.25: 83.72,17.5 v1(81.5,17.5) ; SW1.4 79.18,14 v1(78,14) ; 11.27,79.5 v1(13.5,79.5) ; SW1#2.4 15.82,83 v1(17,83)
  Bottom w0.25: SW1.4 78,12.58 v1(78,14) v1(81.5,17.5) 83.72,17.5 ; 11.27,79.5 v1(13.5,79.5) v1(17,83) 17,84.42 SW1#2.4
Net-(D3-A): length 21.3
  Top w0.25: 30.27,95.5 v1(31.5,95.5) ; 64.72,1.5 v1(63.5,1.5) ; SW2#2.2 59,6.42 v1(59,5) ; v1(36,92) 36,90.58 SW2.2
  Bottom w0.25: 30.27,95.5 v1(31.5,95.5) 34.2,92.8 SW2.2 34.82,92 v1(36,92) ; v1(59,5) 60.18,5 SW2#2.2 60.8,4.2 v1(63.5,1.5) 64.72,1.5
Net-(D4-A): length 27.2
  Top w0.25: v1(59,14) 60.18,14 SW2#2.4 ; 30.27,79.5 v1(32.5,79.5) ; SW2.4 34.82,83 v1(36,83) ; 64.72,17.5 v1(62.5,17.5)
  Bottom w0.25: SW2#2.4 59,12.58 v1(59,14) v1(62.5,17.5) 64.72,17.5 ; 30.27,79.5 v1(32.5,79.5) v1(36,83) 36,84.42 SW2.4
Net-(D5-A): length 21.3
  Top w0.25: v1(55,92) 55,90.58 SW3.2 ; 45.72,1.5 v1(44.5,1.5) ; SW3#2.2 40,6.42 v1(40,5) ; 49.28,95.5 v1(50.5,95.5)
  Bottom w0.25: 49.28,95.5 v1(50.5,95.5) 53.2,92.8 SW3.2 53.82,92 v1(55,92) ; v1(40,5) 41.18,5 SW3#2.2 41.8,4.2 v1(44.5,1.5) 45.72,1.5
Net-(D6-A): length 27.2
  Top w0.25: SW3.4 53.82,83 v1(55,83) ; SW3#2.4 41.18,14 v1(40,14) ; 45.72,17.5 v1(43.5,17.5) ; 49.28,79.5 v1(51.5,79.5)
  Bottom w0.25: 49.28,79.5 v1(51.5,79.5) v1(55,83) 55,84.42 SW3.4 ; SW3#2.4 40,12.58 v1(40,14) v1(43.5,17.5) 45.72,17.5
Net-(D7-A): length 21.3
  Top w0.25: 26.73,1.5 v1(25.5,1.5) ; SW4.2 21,6.42 v1(21,5) ; 68.28,95.5 v1(69.5,95.5) ; SW4#2.2 74,90.58 v1(74,92)
  Bottom w0.25: v1(21,5) 22.18,5 SW4.2 22.8,4.2 v1(25.5,1.5) 26.73,1.5 ; 68.28,95.5 v1(69.5,95.5) 72.2,92.8 SW4#2.2 72.82,92 v1(74,92)
Net-(D8-A): length 27.2
  Top w0.25: 26.73,17.5 v1(24.5,17.5) ; SW4.4 22.18,14 21.05,14 21,13.95 ; 68.28,79.5 v1(70.5,79.5) ; 74,83.05 73.95,83 72.82,83 SW4#2.4
  Bottom w0.25: SW4#2.4 74,84.42 v1(74,83) v1(70.5,79.5) 68.28,79.5 ; SW4.4 21,12.58 v1(21,14) v1(24.5,17.5) 26.73,17.5
Net-(D9-A): length 21.3
  Top w0.25: 83.72,20.5 v1(82.5,20.5) ; v1(17,73) 17,71.58 SW5#2.2 ; 11.27,76.5 v1(12.5,76.5) ; SW5.2 78,25.42 v1(78,24)
  Bottom w0.25: v1(17,73) 15.82,73 SW5#2.2 15.2,73.8 v1(12.5,76.5) 11.27,76.5 ; 83.72,20.5 v1(82.5,20.5) 79.8,23.2 SW5.2 79.18,24 v1(78,24)
Net-(D10-A): length 27.2
  Top w0.25: 83.72,36.5 v1(81.5,36.5) ; SW5.4 79.18,33 v1(78,33) ; v1(17,64) 15.82,64 SW5#2.4 ; 11.27,60.5 v1(13.5,60.5)
  Bottom w0.25: SW5#2.4 17,65.42 v1(17,64) v1(13.5,60.5) 11.27,60.5 ; SW5.4 78,31.58 v1(78,33) v1(81.5,36.5) 83.72,36.5
Net-(D11-A): length 21.3
  Top w0.25: v1(59,24) 59,25.42 SW6.2 ; SW6#2.2 36,71.58 v1(36,73) ; 64.72,20.5 v1(63.5,20.5) ; 30.27,76.5 v1(31.5,76.5)
  Bottom w0.25: 30.27,76.5 v1(31.5,76.5) 34.2,73.8 SW6#2.2 34.82,73 v1(36,73) ; 64.72,20.5 v1(63.5,20.5) 60.8,23.2 SW6.2 60.18,24 v1(59,24)
Net-(D12-A): length 27.2
  Top w0.25: SW6#2.4 34.82,64 v1(36,64) ; 30.27,60.5 v1(32.5,60.5) ; v1(59,33) 60.18,33 SW6.4 ; 64.72,36.5 v1(62.5,36.5)
  Bottom w0.25: 30.27,60.5 v1(32.5,60.5) v1(36,64) 36,65.42 SW6#2.4 ; 64.72,36.5 v1(62.5,36.5) v1(59,33) 59,31.58 SW6.4
Net-(D13-A): length 21.3
  Top w0.25: SW7#2.2 55,71.58 v1(55,73) ; SW7.2 40,25.42 v1(40,24) ; 49.28,76.5 v1(50.5,76.5) ; 45.72,20.5 v1(44.5,20.5)
  Bottom w0.25: 49.28,76.5 v1(50.5,76.5) 53.2,73.8 SW7#2.2 53.82,73 v1(55,73) ; 45.72,20.5 v1(44.5,20.5) 41.8,23.2 SW7.2 41.18,24 v1(40,24)
Net-(D14-A): length 27.2
  Top w0.25: v1(55,64) 53.82,64 SW7#2.4 ; 49.28,60.5 v1(51.5,60.5) ; 45.72,36.5 v1(43.5,36.5) ; v1(40,33) 41.18,33 SW7.4
  Bottom w0.25: SW7#2.4 55,65.42 v1(55,64) v1(51.5,60.5) 49.28,60.5 ; 45.72,36.5 v1(43.5,36.5) v1(40,33) 40,31.58 SW7.4
Net-(D15-A): length 21.7
  Top w0.25: SW8#2.2 74,71.58 v1(74,73) ; 68.28,76.5 v1(69.5,76.5) ; SW8.2 21,25.42 v1(21,24) ; 26.73,20.5 v1(25.5,20.5)
  Bottom w0.25: SW8.2 22.8,23.2 v1(25.5,20.5) 26.73,20.5 ; SW8.2 22.18,24 v1(21,24) ; SW8.2 22.8,23.15 ; SW8#2.2 72.82,73 v1(74,73) ; SW8#2.2 72.2,73.8 v1(69.5,76.5) 68.28,76.5 ; SW8#2.2 72.2,73.85
Net-(D16-A): length 27.2
  Top w0.25: 26.73,36.5 v1(24.5,36.5) ; v1(74,64) 72.82,64 SW8#2.4 ; v1(21,33) 22.18,33 SW8.4 ; 68.28,60.5 v1(70.5,60.5)
  Bottom w0.25: SW8#2.4 74,65.42 v1(74,64) v1(70.5,60.5) 68.28,60.5 ; 26.73,36.5 v1(24.5,36.5) v1(21,33) 21,31.58 SW8.4
Net-(D17-A): length 21.3
  Top w0.25: 26.73,39.5 v1(25.5,39.5) ; v1(21,43) 21,44.42 SW9#2.2 ; 68.28,57.5 v1(69.5,57.5) ; SW9.2 74,52.58 v1(74,54)
  Bottom w0.25: 68.28,57.5 v1(69.5,57.5) 72.2,54.8 SW9.2 72.82,54 v1(74,54) ; 26.73,39.5 v1(25.5,39.5) 22.8,42.2 SW9#2.2 22.18,43 v1(21,43)
Net-(D18-A): length 27.2
  Top w0.25: v1(74,45) 72.82,45 SW9.4 ; 26.73,55.5 v1(24.5,55.5) ; v1(21,52) 22.18,52 SW9#2.4 ; 68.28,41.5 v1(70.5,41.5)
  Bottom w0.25: SW9.4 74,46.42 v1(74,45) v1(70.5,41.5) 68.28,41.5 ; SW9#2.4 21,50.58 v1(21,52) v1(24.5,55.5) 26.73,55.5
Net-(D19-A): length 21.3
  Top w0.25: 7.73,39.5 v1(6.5,39.5) ; SW10.2 93,52.58 v1(93,54) ; v1(2,43) 2,44.42 SW10#2.2 ; 87.28,57.5 v1(88.5,57.5)
  Bottom w0.25: 7.73,39.5 v1(6.5,39.5) 3.8,42.2 SW10#2.2 3.18,43 v1(2,43) ; 87.28,57.5 v1(88.5,57.5) 91.2,54.8 SW10.2 91.82,54 v1(93,54)
Net-(D20-A): length 27.2
  Top w0.25: SW10.4 91.82,45 v1(93,45) ; SW10#2.4 3.18,52 v1(2,52) ; 7.73,55.5 v1(5.5,55.5) ; 87.28,41.5 v1(89.5,41.5)
  Bottom w0.25: SW10#2.4 2,50.58 v1(2,52) v1(5.5,55.5) 7.73,55.5 ; 87.28,41.5 v1(89.5,41.5) v1(93,45) 93,46.42 SW10.4
Net-(D21-A): length 3
  Bottom w0.25: R1#2.1 D21#2.2 ; R1.1 D21.2
Net-(D22-A): length 3
  Bottom w0.25: R2.1 D22#2.2 ; R2#2.1 D22.2
Net-(D23-A): length 3
  Bottom w0.25: R3.1 D23.2 ; R3#2.1 D23#2.2
Net-(J1-Pad1): length 122.9
  Bottom w0.25: PSW1#2.1 51.9,55.65 50.7,56.85 50.7,58.5 53.35,61.15 55.12,61.15 56.55,62.58 56.55,72.95 57.85,74.25 60.41,74.25 60.46,74.3 60.49,74.3 61.52,75.33 61.52,77.42 62.55,78.45 71.23,78.45 75.4,82.62 75.4,93.44 J1#2.1 ; J1.1 19.6,3.56 19.6,14.38 23.77,18.55 32.45,18.55 33.48,19.58 33.48,21.67 34.51,22.7 34.54,22.7 34.59,22.75 37.15,22.75 38.45,24.05 38.45,34.42 39.88,35.85 41.65,35.85 44.3,38.5 44.3,40.15 43.1,41.35 PSW1.1
Net-(J1-Pad2): length 46.7
  Top w0.25: J1.2 9.61,1.06 10.5,1.95 10.5,5.14 v1(9.5,6.14) U1.23 ; U1#2.23 v1(85.5,90.86) 84.5,91.86 84.5,95.05 85.39,95.94 J1#2.2
  Bottom w0.25: U1#2.23 v1(85.5,90.86) ; U1.23 v1(9.5,6.14)
unconnected-(U1-SDA/D1/2-Pad5): length 0
  Top w0.25: 80.61,83.25 80.6,83.24 ; 14.39,13.75 14.4,13.76

## Copper pours and planes (outline as drawn; the poured copper is in the pictures)
GND on Top, Bottom: -7.5,106.95 102.5,106.95 102.5,-5.55 -7.5,-5.55

Small or netless copper shapes (teardrops, artwork), in the pictures only: 268 on Top, 286 on Bottom

## Text on the board
B.Silkscreen: by Aorum/turtle | PNCATEHO MK-DOSE | N | P | A | C | E | T | O | H
F.Silkscreen: by Aorum/turtle | PNCATEHO MK-DOSE | N | P | A | C | E | T | O | H
